# Allegro board PandaX_III_V3.brd (continued)
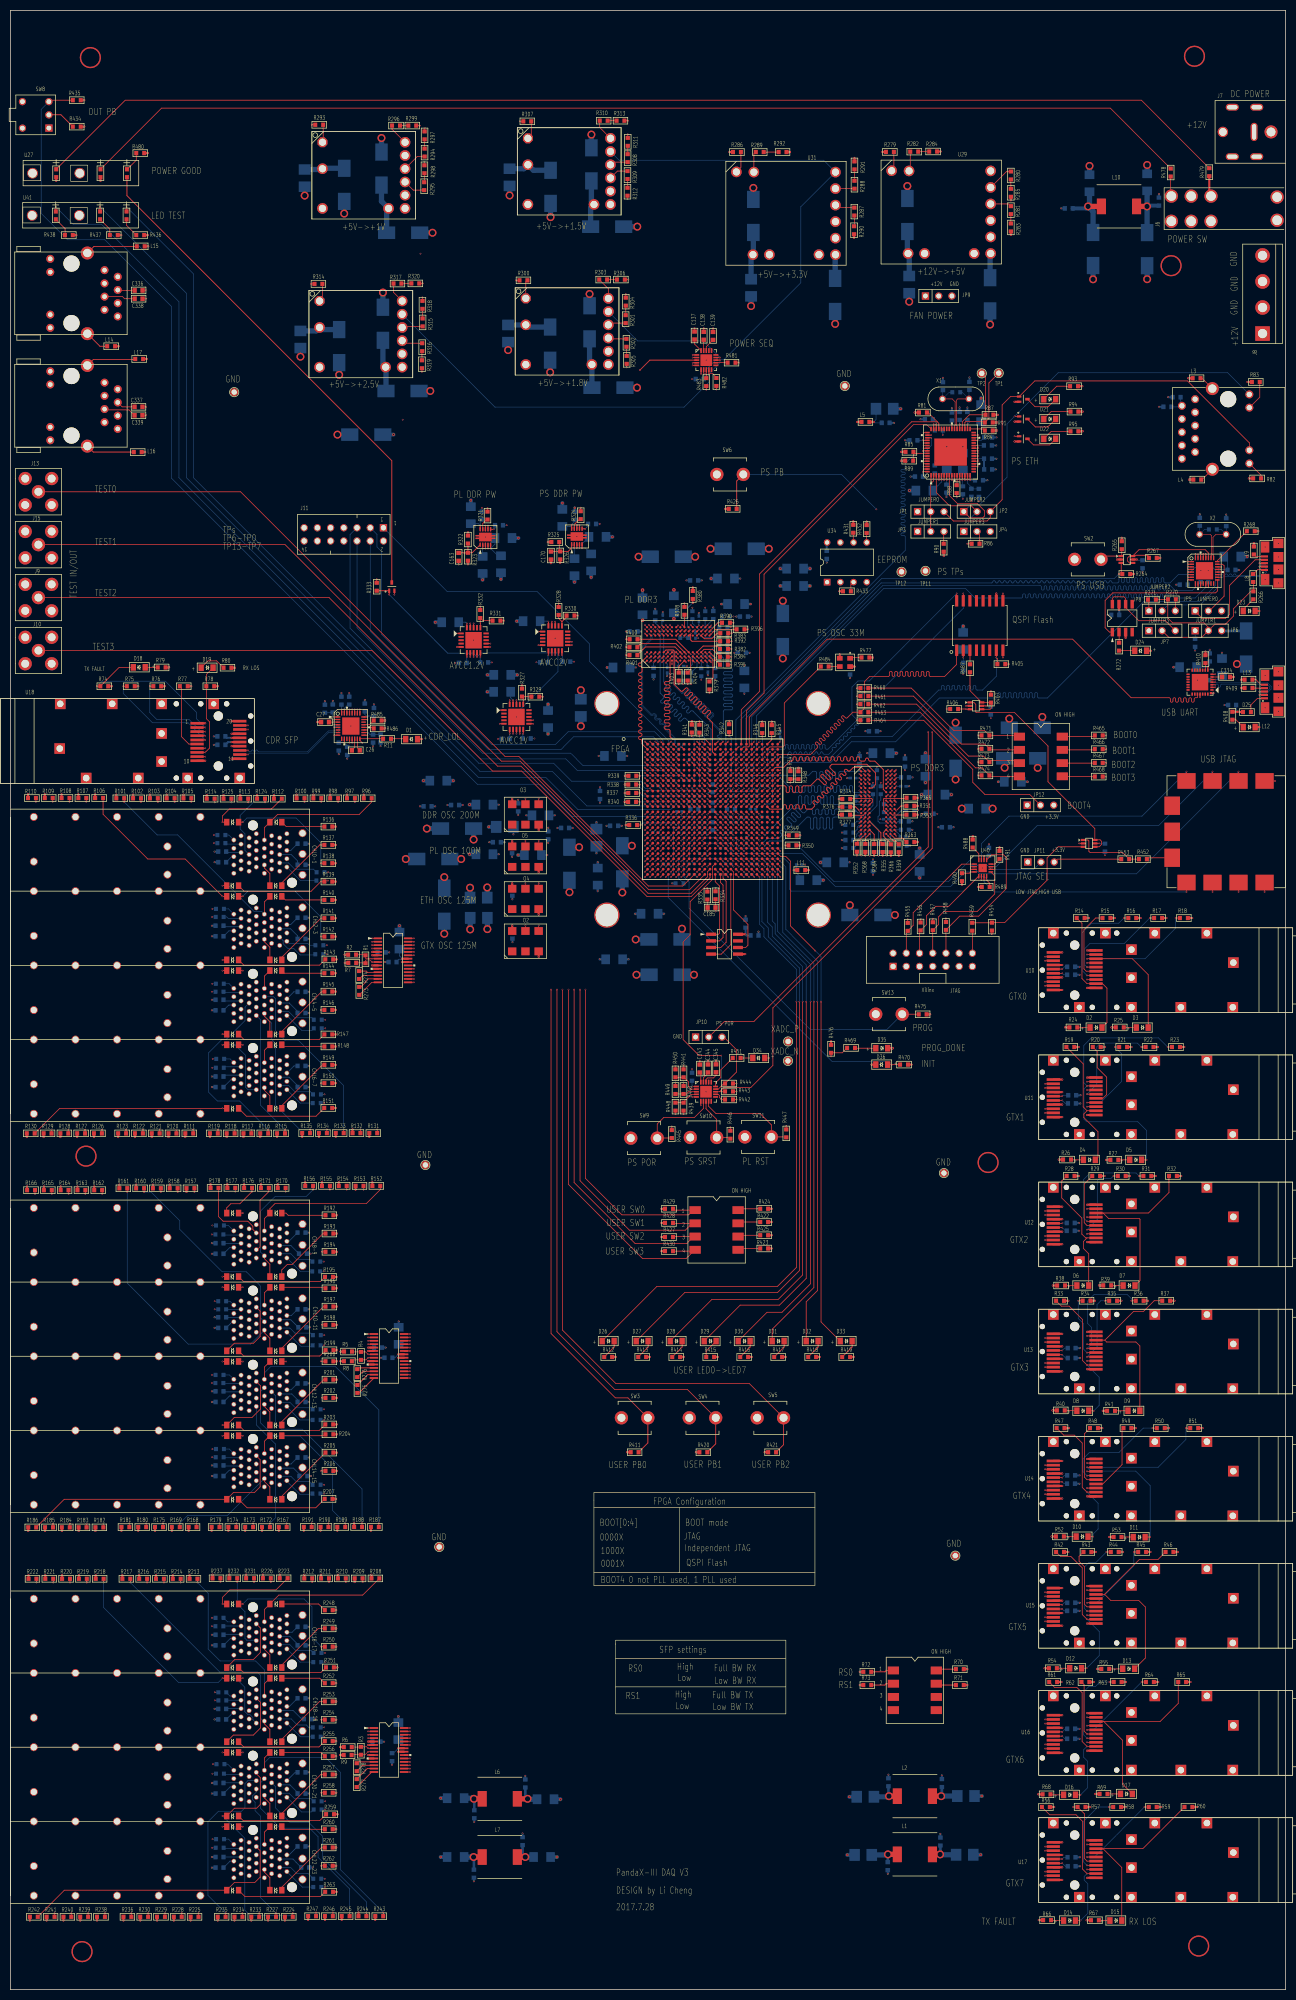
[diagram p0: board, top side]
## Nets (continued)
PL_DDR3_ODT: R403.1 U1.E16(IO_L16P_T2_35) U43.K1(ODT)
PL_DDR3_RAS_B: R401.1 U1.F14(IO_L11N_T1_SRCC_35) U43.J3(RAS_B)
PL_DDR3_RESET_B: R379.2 U1.D15(IO_L13P_T2_MRCC_35) U43.T2(RESET_B)
PL_DDR3_SYS_CK_N: O3.5(OUT-) U1.J3(IO_L12N_T1_MRCC_33)
PL_DDR3_SYS_CK_P: O3.4(OUT+) U1.J4(IO_L12P_T1_MRCC_33)
PL_DDR3_UDM: U1.C4(IO_L19P_T3_34) U43.D3(UDM)
PL_DDR3_UDQS_N: U1.A5(IO_L21N_T3_DQS_34) U43.B7(UDQS_N)
PL_DDR3_UDQS_P: U1.B6(IO_L21P_T3_DQS_34) U43.C7(UDQS_P)
PL_DDR3_WE_B: R400.1 U1.H14(IO_L12N_T1_MRCC_35) U43.L3(WE_B)
PL_DDR3_ZQ: R380.2 U43.L8(ZQ)
PL_DDR_VREF75V: C166.1 C187.2 C188.2 C189.2 C190.2 C319.1 C320.1 U1.C3(IO_L19N_T3_VREF_34) U1.C13(IO_L19N_T3_VREF_35) U1.E13(IO_L6N_T0_VREF_35) U1.H8(IO_L6N_T0_VREF_34) U28.6(REFOUT) U43.H1(VREFDQ) U43.M8(VREFCA)
PL_DDR_VTT75V: C167.1 C168.1 C321.1 C322.1 C323.1 C324.1 C325.1 C326.1 R378.2 R382.2 R383.2 R384.2 R385.2 R386.2 R387.2 R388.2 R389.2 R390.2 R391.2 R392.2 R393.2 R394.2 R395.2 R396.2 R397.2 R398.2 R399.2 R400.2 R401.2 R402.2 R403.2 R404.2 U28.3(VO) U28.5(VOSNS)
PL_JTAG_SEL: JP11.2 U40.2(IN1-2) U40.10(IN3-4)
PL_JTAG_TCK: R490.1 U1.W12(TCK_0) U40.4(COM2)
PL_JTAG_TDI: R491.1 U1.V11(TDI_0) U40.12(COM4)
PL_JTAG_TDO: R489.1 U1.W10(TDO_0) U40.8(COM3)
PL_JTAG_TMS: R488.1 U1.W11(TMS_0) U40.16(COM1)
PL_RST_B: R442.1 U1.AD14(IO_L13N_T2_MRCC_12) U38.12(OUT3)
PL_RST_B_IN: R447.1 SW11.2 U38.9(EN3)
POWER_EN0: R483.1 U24.9(TRACK) U30.8(EN2) U30.14(OUT1)
POWER_EN1: R482.1 U25.9(TRACK) U26.9(TRACK) U30.9(EN3) U30.13(OUT2) U31.10(TRACK)
POWER_LED0: R479.2 U27.3(IN1)
POWER_LED1: R478.2 U27.5(IN2)
POWER_LED2: Q4.3(D) U27.8(OUT3)
PS_CLK: R484.1 U1.B24(PS_CLK_500)
PS_GPIO_1V8_0: TP11.1(TP) U1.B22(PS_MIO50_501)
PS_GPIO_1V8_1: TP12.1(TP) U1.B21(PS_MIO48_501)
PS_I2C_SCL: R431.1 U1.D23(PS_MIO14_500) U34.6(SCL)
PS_I2C_SDA: R432.1 U1.C24(PS_MIO15_500) U34.5(SDA)
PS_PB: R426.2 SW6.2 U1.E26(PS_MIO0_500)
PS_POR_B: JP10.2 U1.C23(PS_POR_B_500)
PS_POR_B_IN: R445.1 SW9.2 U38.7(EN1)
PS_SRST_B: R443.1 U1.A22(PS_SRST_B_501) U36.1(A1) U38.13(OUT2) U42.4(Y2) U42.6(Y1)
PS_SRST_B_IN: R446.1 SW10.2 U38.8(EN2)
RX_CDR_CLKN: U1.N2(IO_L15N_T2_DQS_33) U4.25(CLKOUTN)
RX_CDR_CLKP: U1.N3(IO_L15P_T2_DQS_33) U4.26(CLKOUTP)
RX_CDR_RXN: U1.M1(IO_L18N_T2_33) U4.28(DATAOUTN)
RX_CDR_RXP: U1.N1(IO_L18P_T2_33) U4.29(DATAOUTP)
SFP_MOD_ABS0: R17.1 U10.6(MOD_ABS)
SFP_MOD_ABS1: R22.1 U11.6(MOD_ABS)
SFP_MOD_ABS2: R31.1 U12.6(MOD_ABS)
SFP_MOD_ABS3: R36.1 U13.6(MOD_ABS)
SFP_MOD_ABS4: R50.1 U14.6(MOD_ABS)
SFP_MOD_ABS5: R45.1 U15.6(MOD_ABS)
SFP_MOD_ABS6: R64.1 U16.6(MOD_ABS)
SFP_MOD_ABS7: R59.1 U17.6(MOD_ABS)
SFP_MOD_ABS8: R77.1 U18.6(MOD_ABS)
SFP_RS0: R72.2 SW1.1 U10.7(RS0) U11.7(RS0) U12.7(RS0) U13.7(RS0) U14.7(RS0) U15.7(RS0) U16.7(RS0) U17.7(RS0) U18.7(RS0)
SFP_RS1: R73.2 SW1.2 U10.9(RS1) U11.9(RS1) U12.9(RS1) U13.9(RS1) U14.9(RS1) U15.9(RS1) U16.9(RS1) U17.9(RS1) U18.9(RS1)
SFP_RX_LOS0: D3.2(CATHODE) R18.1 U10.8(LOS)
SFP_RX_LOS1: D5.2(CATHODE) R23.1 U11.8(LOS)
SFP_RX_LOS2: D7.2(CATHODE) R32.1 U12.8(LOS)
SFP_RX_LOS3: D9.2(CATHODE) R37.1 U13.8(LOS)
SFP_RX_LOS4: D11.2(CATHODE) R51.1 U14.8(LOS)
SFP_RX_LOS5: D13.2(CATHODE) R46.1 U15.8(LOS)
SFP_RX_LOS6: D17.2(CATHODE) R65.1 U16.8(LOS)
SFP_RX_LOS7: D15.2(CATHODE) R60.1 U17.8(LOS)
SFP_RX_LOS8: D19.2(CATHODE) R78.1 U1.Y13(IO_L5N_T0_12) U18.8(LOS)
SFP_RX_N0: U1.AD7(MGTXRXN0_111) U10.12(RD_N)
SFP_RX_N1: U1.AE5(MGTXRXN1_111) U11.12(RD_N)
SFP_RX_N2: U1.AC5(MGTXRXN2_111) U12.12(RD_N)
SFP_RX_N3: U1.AD3(MGTXRXN3_111) U13.12(RD_N)
SFP_RX_N4: U1.AB3(MGTXRXN0_112) U14.12(RD_N)
SFP_RX_N5: U1.Y3(MGTXRXN1_112) U15.12(RD_N)
SFP_RX_N6: U1.T3(MGTXRXN3_112) U16.12(RD_N)
SFP_RX_N7: U1.V3(MGTXRXN2_112) U17.12(RD_N)
SFP_RX_N8: U4.4(NIN) U18.12(RD_N)
SFP_RX_P0: U1.AD8(MGTXRXP0_111) U10.13(RD_P)
SFP_RX_P1: U1.AE6(MGTXRXP1_111) U11.13(RD_P)
SFP_RX_P2: U1.AC6(MGTXRXP2_111) U12.13(RD_P)
SFP_RX_P3: U1.AD4(MGTXRXP3_111) U13.13(RD_P)
SFP_RX_P4: U1.AB4(MGTXRXP0_112) U14.13(RD_P)
SFP_RX_P5: U1.Y4(MGTXRXP1_112) U15.13(RD_P)
SFP_RX_P6: U1.T4(MGTXRXP3_112) U16.13(RD_P)
SFP_RX_P7: U1.V4(MGTXRXP2_112) U17.13(RD_P)
SFP_RX_P8: U4.5(PIN) U18.13(RD_P)
SFP_SCL0: R57.1 R62.1 U1.AC14(IO_L13P_T2_MRCC_12) U16.5(SCL) U17.5(SCL)
SFP_SDA0: R58.1 R63.1 U1.AD15(IO_L15N_T2_DQS_12) U16.4(SDA) U17.4(SDA)
SFP_TX_DISABLE0: U1.AC17(IO_L21P_T3_DQS_12) U10.3(TX_DISABLE)
SFP_TX_DISABLE1: U1.AD16(IO_L15P_T2_DQS_12) U11.3(TX_DISABLE)
SFP_TX_DISABLE2: U1.AC16(IO_L21N_T3_DQS_12) U12.3(TX_DISABLE)
SFP_TX_DISABLE3: U1.AE16(IO_L17P_T2_12) U13.3(TX_DISABLE)
SFP_TX_DISABLE4: U1.AB17(IO_L20P_T3_12) U14.3(TX_DISABLE)
SFP_TX_DISABLE5: U1.AA17(IO_L19N_T3_VREF_12) U15.3(TX_DISABLE)
SFP_TX_DISABLE6: U1.Y17(IO_L19P_T3_12) U16.3(TX_DISABLE)
SFP_TX_DISABLE7: U1.W17(IO_25_12) U17.3(TX_DISABLE)
SFP_TX_DISABLE8: U1.Y10(IO_L3P_T0_DQS_12) U18.3(TX_DISABLE)
SFP_TX_FAULT0: D2.2(CATHODE) R14.1 U10.2(TX_FAULT)
SFP_TX_FAULT1: D4.2(CATHODE) R19.1 U11.2(TX_FAULT)
SFP_TX_FAULT2: D6.2(CATHODE) R28.1 U12.2(TX_FAULT)
SFP_TX_FAULT3: D8.2(CATHODE) R33.1 U13.2(TX_FAULT)
SFP_TX_FAULT4: D10.2(CATHODE) R47.1 U14.2(TX_FAULT)
SFP_TX_FAULT5: D12.2(CATHODE) R42.1 U15.2(TX_FAULT)
SFP_TX_FAULT6: D16.2(CATHODE) R61.1 U16.2(TX_FAULT)
SFP_TX_FAULT7: D14.2(CATHODE) R56.1 U17.2(TX_FAULT)
SFP_TX_FAULT8: D18.2(CATHODE) R74.1 U18.2(TX_FAULT)
SFP_TX_N0: U1.AF7(MGTXTXN0_111) U10.19(TD_N)
SFP_TX_N1: U1.AF3(MGTXTXN1_111) U11.19(TD_N)
SFP_TX_N2: U1.AE1(MGTXTXN2_111) U12.19(TD_N)
SFP_TX_N3: U1.AC1(MGTXTXN3_111) U13.19(TD_N)
SFP_TX_N4: U1.AA1(MGTXTXN0_112) U14.19(TD_N)
SFP_TX_N5: U1.W1(MGTXTXN1_112) U15.19(TD_N)
SFP_TX_N6: U1.R1(MGTXTXN3_112) U16.19(TD_N)
SFP_TX_N7: U1.U1(MGTXTXN2_112) U17.19(TD_N)
SFP_TX_N8: U1.H1(IO_L7N_T1_33) U18.19(TD_N)
SFP_TX_P0: U1.AF8(MGTXTXP0_111) U10.18(TD_P)
SFP_TX_P1: U1.AF4(MGTXTXP1_111) U11.18(TD_P)
SFP_TX_P2: U1.AE2(MGTXTXP2_111) U12.18(TD_P)
SFP_TX_P3: U1.AC2(MGTXTXP3_111) U13.18(TD_P)
SFP_TX_P4: U1.AA2(MGTXTXP0_112) U14.18(TD_P)
SFP_TX_P5: U1.W2(MGTXTXP1_112) U15.18(TD_P)
SFP_TX_P6: U1.R2(MGTXTXP3_112) U16.18(TD_P)
SFP_TX_P7: U1.U2(MGTXTXP2_112) U17.18(TD_P)
SFP_TX_P8: U1.J1(IO_L7P_T1_33) U18.18(TD_P)
SFP_VCCR: C40.1 C41.1 C484.1 C486.1 C488.1 C490.1 C492.1 C494.1 C496.1 C498.1 L2.2 U10.15(VCCR) U11.15(VCCR) U12.15(VCCR) U13.15(VCCR) U14.15(VCCR) U15.15(VCCR) U16.15(VCCR) U17.15(VCCR)
SFP_VCCT: C36.1 C37.1 C483.1 C485.1 C487.1 C489.1 C491.1 C493.1 C495.1 C497.1 L1.2 U10.16(VCCT) U11.16(VCCT) U12.16(VCCT) U13.16(VCCT) U14.16(VCCT) U15.16(VCCT) U16.16(VCCT) U17.16(VCCT)
SITCP_EEPROM_CS: DU3.1(CS) U1.AF14(IO_L16N_T2_12)
SITCP_EEPROM_DI: DU3.3(DI) U1.AE15(IO_L17N_T2_12)
SITCP_EEPROM_DO: DU3.4(DO) U1.AF17(IO_L18N_T2_12)
SITCP_EEPROM_ORG: DU3.6(ORG) U1.AE17(IO_L18P_T2_12)
SITCP_EEPROM_SK: DU3.2(SK) U1.AF15(IO_L16P_T2_12)
SWITCH_OUT+12V: C131.1 C132.1 C133.1 J6.2(OUTL) J6.5(OUTR) L10.1
TRIGGER_IN_0: J9.1 U1.AE13(IO_L10P_T1_12)
TRIGGER_IN_1: J10.1 U1.AF13(IO_L10N_T1_12)
TRIGGER_OUT_0: J13.1 U1.AF10(IO_L9N_T1_DQS_12)
TRIGGER_OUT_1: J15.1 U1.AF12(IO_L8N_T1_12)
UART_USB_D_N: J14.2(D-) U35.4(D-)
UART_USB_D_P: J14.3(D+) U35.3(D+)
UART_USB_RXD: U1.B19(PS_MIO47_501) U35.24(RXD)
UART_USB_TXD: U1.E17(PS_MIO46_501) U35.25(TXD)
UART_USB_VBUS_5V: C330.1 C331.1 C332.1 L12.2 R408.1 U35.7(REGIN) U35.8(VBUS)
ULPI_USB_CLKOUT: U1.K16(PS_MIO36_501) U8.1(CLKOUT)
ULPI_USB_D_N: J2.2(D-) U8.19(DM)
ULPI_USB_D_P: J2.3(D+) U8.18(DP)
ULPI_USB_DATA0: U1.K17(PS_MIO32_501) U8.3(DATA0)
ULPI_USB_DATA1: U1.E22(PS_MIO33_501) U8.4(DATA1)
ULPI_USB_DATA2: U1.J16(PS_MIO34_501) U8.5(DATA2)
ULPI_USB_DATA3: U1.D19(PS_MIO35_501) U8.6(DATA3)
ULPI_USB_DATA4: U1.J18(PS_MIO28_501) U8.7(DATA4)
ULPI_USB_DATA5: U1.D20(PS_MIO37_501) U8.9(DATA5)
ULPI_USB_DATA6: U1.D21(PS_MIO38_501) U8.10(DATA6)
ULPI_USB_DATA7: U1.C21(PS_MIO39_501) U8.13(DATA7)
ULPI_USB_DIR: U1.E20(PS_MIO29_501) U8.31(DIR)
ULPI_USB_NEXT: U1.E21(PS_MIO31_501) U8.2(NXT)
ULPI_USB_RESET_B: R267.1 U7.4(Y2) U7.6(Y1) U8.27(RESETB)
ULPI_USB_RSTB: R264.1 U1.D18(PS_MIO43_501) U7.3(A2)
ULPI_USB_STP: U1.K19(PS_MIO30_501) U8.29(STP)
USB3320_XTAL_N: C130.1 R269.1 U8.26(REFCLK) X2.2
USB3320_XTAL_P: C129.1 R269.2 U8.25(XO) X2.1
USB_ID: JP5.2 U8.23(ID)
USB_JTAG_RSTB: R452.1 R453.1 U42.1(A1)
USB_JTAG_TCK: U39.2(TCK) U40.3(NO2)
USB_JTAG_TDI: U39.3(TDI) U40.11(NO4)
USB_JTAG_TDO: U39.5(TDO) U40.7(NO3)
USB_JTAG_TMS: U39.4(TMS) U40.15(NO1)
USB_VBUS_SEL: JP6.2 JP7.2 L8.2 R266.1 R270.1 R271.1
USER_LED0: D26.1(ANODE) U1.AF22(IO_L7N_T1_13)
USER_LED1: D27.1(ANODE) U1.AE22(IO_L7P_T1_13)
USER_LED2: D28.1(ANODE) U1.AC23(IO_L12P_T1_MRCC_13)
USER_LED3: D29.1(ANODE) U1.AC24(IO_L12N_T1_MRCC_13)
USER_LED4: D30.1(ANODE) U1.AD25(IO_L4P_T0_13)
USER_LED5: D31.1(ANODE) U1.AD26(IO_L4N_T0_13)
USER_LED6: D32.1(ANODE) U1.AC26(IO_L2N_T0_13)
USER_LED7: D33.1(ANODE) U1.AB26(IO_L2P_T0_13)
USER_PB0: R411.2 SW3.2 U1.AA13(IO_L6P_T0_12)
USER_PB1: R420.2 SW4.2 U1.AB12(IO_L2P_T0_12)
USER_PB2: R421.2 SW5.2 U1.AC11(IO_L2N_T0_12)
USER_SW0: R429.2 SW7.1 U1.AD13(IO_L12N_T1_MRCC_12)
USER_SW1: R428.2 SW7.2 U1.AE12(IO_L8P_T1_12)
USER_SW2: R427.2 SW7.3 U1.AE11(IO_L9P_T1_DQS_12)
USER_SW3: R430.2 SW7.4 U1.AC12(IO_L11P_T1_SRCC_12)
USER_TP0: J11.1 U1.E6(IO_L10P_T1_34)
USER_TP1: J11.3 U1.D5(IO_L10N_T1_34)
USER_TP2: J11.5 U1.G5(IO_L2N_T0_34)
USER_TP3: J11.7 U1.C6(IO_L14N_T2_SRCC_34)
USER_TP4: J11.9 U1.E7(IO_L11N_T1_SRCC_34)
USER_TP5: J11.11 U1.G6(IO_L2P_T0_34)
USER_TP6: J11.13 U1.H6(IO_L4N_T0_34)
USER_TP7: J11.2 U1.F4(IO_L1N_T0_33)
USER_TP8: J11.4 U1.E5(IO_L7N_T1_34)
USER_TP9: J11.6 U1.F7(IO_L12N_T1_MRCC_34)
USER_TP10: J11.8 U1.C7(IO_L13N_T2_MRCC_34)
USER_TP11: J11.10 U1.D6(IO_L14P_T2_SRCC_34)
USER_TP12: J11.12 U1.F5(IO_L7P_T1_34)
USER_TP13: J11.14 U1.G7(IO_L12P_T1_MRCC_34)
XADC_N: C185.2 R335.2 TP10.1(TP)
XADC_P: C185.1 R334.2 TP9.1(TP)
N15277247: D25.1(ANODE) R408.2
N15277527: J14.4(GND) R409.2
N15277603: C334.1 U35.6(VDD)
N15277643: R410.1 U35.9(R\S\T\)
N15277901: J14.5(SHIELD0) L13.1
N15278231: R407.1 R487.1 U36.4(Y2) U36.6(Y1)
N15288988: R307.2 U25.1(SMARTSYNC)
N15289050: R310.2 U25.10(INHIBIT & UVLO)
N15289184: R309.2 U25.7(VO ADJUST)
N15289188: R310.1 R313.2
N15289192: R309.1 R312.2
N15289336: R308.1 R311.2
N15289340: R308.2 U25.8(TURBOTRANS)
N15289432: R321.1 U28.9(PGOOD)
N15289798: C163.1 R322.1 R323.2 U28.1(REFIN)
N15290016: R293.2 U23.1(SMARTSYNC)
N15290076: R296.2 U23.10(INHIBIT & UVLO)
N15290212: R295.2 U23.7(VO ADJUST)
N15290216: R296.1 R299.2
N15290220: R295.1 R298.2
N15290368: R324.1 U32.9(PGOOD)
N15290680: C170.1 R325.1 R326.2 U32.1(REFIN)
N15290796: R294.1 R297.2
N15290800: R294.2 U23.8(TURBOTRANS)
N15290950: R300.2 U24.1(SMARTSYNC)
N15291012: R303.2 U24.10(INHIBIT & UVLO)
N15291188: R302.2 U24.7(VO ADJUST)
N15291192: R303.1 R306.2
N15291196: R302.1 R305.2
N15291324: R301.1 R304.2
N15291328: R301.2 U24.8(TURBOTRANS)
N15294561: R331.2 R332.1 U22.16(FB)
N15295063: R328.2 R330.1 U21.16(FB)
N15295507: R327.2 R329.1 U20.16(FB)
N15326704: J6.3(IN2L) J6.6(IN2R) J8.1 R478.1
N15330868: D2.1(ANODE) R24.1
N15331044: D3.1(ANODE) R25.1
N15331388: R48.1 U14.5(SCL)
N15331392: R49.1 U14.4(SDA)
N15331892: R481.1 U30.12(OUT3)
N15331992: C137.1 U30.20(CDLY1)
N15332000: C138.1 U30.19(CDLY2)
N15332008: C139.1 U30.18(CDLY3)
N15332434: D16.1(ANODE) R68.1
N15332542: D17.1(ANODE) R69.1
N15332870: D8.1(ANODE) R40.1
N15333072: D9.1(ANODE) R41.1
N15333252: R29.1 U12.5(SCL)
N15333574: D10.1(ANODE) R52.1
N15333794: D11.1(ANODE) R53.1
N15333837: R282.1 R284.2
N15333841: R282.2 U29.11(INHIBIT & UVLO)
N15333926: R20.1 U11.5(SCL)
N15333936: R30.1 U12.4(SDA)
N15333940: R21.1 U11.4(SDA)
N15334013: R279.2 U29.1(SMARTSYNC)
N15334061: R281.2 U29.8(VO ADJUST)
N15334065: R281.1 R283.2
N15334125: R280.2 U29.9(TURBOTRANS)
N15334153: R280.1 R285.2
N15334432: R15.1 U10.5(SCL)
N15334486: R16.1 U10.4(SDA)
N15334680: D4.1(ANODE) R26.1
N15335110: D5.1(ANODE) R27.1
N15335863: R286.2 U31.1(SMARTSYNC)
N15335912: D14.1(ANODE) R66.1
N15335929: R289.2 U31.11(INHIBIT & UVLO)
N15335977: R288.2 U31.9(TURBOTRANS)
N15335981: R289.1 R292.2
N15335985: R288.1 R291.2
N15336033: R287.1 R290.2
N15336037: R287.2 U31.8(VO ADJUST)
N15336038: D15.1(ANODE) R67.1
N15336442: R34.1 U13.5(SCL)
N15336656: D6.1(ANODE) R38.1
N15336684: R43.1 U15.5(SCL)
N15336860: D7.1(ANODE) R39.1
N15336904: R44.1 U15.4(SDA)
N15337012: R35.1 U13.4(SDA)
N15337194: D12.1(ANODE) R54.1
N15337320: D13.1(ANODE) R55.1
N15352327: D26.2(CATHODE) R412.1
N15352363: D27.2(CATHODE) R413.1
N15352407: D28.2(CATHODE) R414.1
N15352475: D29.2(CATHODE) R415.1
N15352519: D30.2(CATHODE) R416.1
N15354007: R433.1 U34.3(A2)
N15354087: R423.1 SW7.5
N15354395: R424.1 SW7.8
N15354449: R422.1 SW7.7
N15354453: R425.1 SW7.6
N15354888: R480.1 U27.7(IN3)
N15356279: R314.2 U26.1(SMARTSYNC)
N15356341: R317.2 U26.10(INHIBIT & UVLO)
N15356469: R316.2 U26.7(VO ADJUST)
N15356473: R317.1 R320.2
N15356477: R316.1 R319.2
N15356585: R315.1 R318.2
N15356589: R315.2 U26.8(TURBOTRANS)
N15358771: R451.2 U38.15(RESETB)
N15358823: D34.2(CATHODE) R451.1
N15359423: R70.1 SW1.8
N15359430: R71.1 SW1.7
N15360001: O1.3(OUT) R484.2
N15360071: O1.1(ST#) R477.1
N15361005: JP10.3 R444.1 U38.14(OUT1)
N15361284: R344.1 U1.AB8(MGTRREF_112)
N15362351: R439.1 R448.2 U38.4(IN3)
N15362355: R440.1 R449.2 U38.3(IN2)
N15362359: R441.1 R450.2 U38.2(IN1)
N15362510: R342.1 U1.H16(IO_0_VRN_35)
N15362645: C345.1 U38.18(CDLY3)
N15362653: C344.1 U38.19(CDLY2)
N15362673: C343.1 U38.20(CDLY1)
N15362832: R343.2 U1.K12(IO_25_VRP_35)
N15362886: R336.2 U1.T7(CFGBVS_0)
N15362952: R334.1 U1.N14(VP_0)
N15362970: R335.1 U1.P13(VN_0)
N15363194: R339.2 U1.H9(IO_L3P_T0_DQS_PUDC_B_34)
N15365060: R338.1 U1.K11(IO_0_VRN_34)
N15365160: R341.2 U1.K10(IO_25_VRP_34)
N15366806: R340.2 U1.N8(IO_25_VRP_33)
N15366872: R337.2 U1.L9(IO_0_VRN_33)
N15370771: C268.1 R347.1 R348.2 U1.H18(PS_MIO_VREF_501)
N15371363: R345.1 U1.A24(PS_MIO8_500)
N15371367: R346.2 U1.E23(PS_MIO7_500)
N15371637: R349.1 U1.V21(PS_DDR_VRN_502)
N15371671: R350.2 U1.W21(PS_DDR_VRP_502)
N15988634: J3.4L6(MODABS) R129.2
N15988662: J3.4L5(SDA) R127.2
N15988690: J3.4L4(SCL) R128.2
N15988870: J3.4T6(MODABS) R123.2
N15988970: J3.4T5(SDA) R121.2
N15988978: J3.4T4(SCL) R122.2
N15989690: J3.2T6(MODABS) R104.2
N15989746: J3.2T5(SDA) R102.2
N15989762: J3.2T4(SCL) R103.2
N15990070: J3.1T5(SDA) R97.2
N15990086: J3.1T4(SCL) R98.2
N15990740: J3.2L6(MODABS) R109.2
N15990788: J3.2L5(SDA) R107.2
N15990796: J3.2L4(SCL) R108.2
N15991702: J3.1L6(MODABS) R125.2
N15991750: J3.1L5(SDA) R124.2
N15991758: J3.1L4(SCL) R113.2
N15991942: J3.3T6(MODABS) R134.2
N15991990: J3.3T5(SDA) R132.2
N15991998: J3.3T4(SCL) R133.2
N15992586: J3.1T21(LEDP#1T21) R136.1
N15992594: J3.1T23(LEDP#1T23) R137.1
N15992642: J3.1L21(LEDP#1L21) R138.1
N15992646: J3.1L23(LEDP#1L23) R139.1
N15992750: J3.2T21(LEDP#2T21) R140.1
N15992758: J3.2T23(LEDP#2T23) R141.1
N15992766: J3.2L21(LEDP#2L21) R142.1
N15992774: J3.2L23(LEDP#2L23) R143.1
N15992890: J3.1T6(MODABS) R99.2
N15992930: J3.3L6(MODABS) R118.2
N15993030: J3.3L5(SDA) R116.2
N15993058: J3.3L4(SCL) R117.2
N15993246: J3.3T21(LEDP#3T21) R144.1
N15993254: J3.3T23(LEDP#3T23) R145.1
N15993262: J3.3L21(LEDP#3L21) R146.1
N15993270: J3.3L23(LEDP#3L23) R147.1
N15993282: J3.4T21(LEDP#4T21) R148.1
N15993290: J3.4T23(LEDP#4T23) R149.1
N15993312: J3.4L21(LEDP#4L21) R150.1
N15993320: J3.4L23(LEDP#4L23) R151.1
N16030402: J4.4L6(MODABS) R185.2
N16030430: J4.4L5(SDA) R183.2
N16030458: J4.4L4(SCL) R184.2
N16030638: J4.4T6(MODABS) R181.2
N16030686: J4.4T5(SDA) R175.2
N16030694: J4.4T4(SCL) R168.2
N16031198: J4.2T6(MODABS) R160.2
N16031306: J4.2T5(SDA) R158.2
N16031322: J4.2T4(SCL) R159.2
N16031630: J4.1T5(SDA) R153.2
N16031646: J4.1T4(SCL) R154.2
N16032226: J4.2L6(MODABS) R165.2
N16032274: J4.2L5(SDA) R163.2
N16032282: J4.2L4(SCL) R164.2
N16032914: J4.1L6(MODABS) R177.2
N16033014: J4.1L5(SDA) R170.2
N16033022: J4.1L4(SCL) R171.2
N16033206: J4.3T6(MODABS) R190.2
N16033254: J4.3T5(SDA) R188.2
N16033262: J4.3T4(SCL) R189.2
N16033806: J4.1T21(LEDP#1T21) R192.1
N16033834: J4.1T23(LEDP#1T23) R193.1
N16033882: J4.1L21(LEDP#1L21) R194.1
N16033886: J4.1L23(LEDP#1L23) R195.1
N16033990: J4.2T21(LEDP#2T21) R196.1
N16033998: J4.2T23(LEDP#2T23) R197.1
N16034006: J4.2L21(LEDP#2L21) R198.1
N16034014: J4.2L23(LEDP#2L23) R199.1
N16034110: J4.1T6(MODABS) R155.2
N16034170: J4.3L6(MODABS) R174.2
N16034270: J4.3L5(SDA) R173.2
N16034350: J4.3L4(SCL) R167.2
N16034518: J4.3T21(LEDP#3T21) R200.1
N16034546: J4.3T23(LEDP#3T23) R201.1
N16034554: J4.3L21(LEDP#3L21) R202.1
N16034562: J4.3L23(LEDP#3L23) R203.1
N16034574: J4.4T21(LEDP#4T21) R204.1
N16034582: J4.4T23(LEDP#4T23) R205.1
N16034604: J4.4L21(LEDP#4L21) R206.1
N16034612: J4.4L23(LEDP#4L23) R207.1
N16042263: J5.4L6(MODABS) R241.2
N16042291: J5.4L5(SDA) R239.2
N16042319: J5.4L4(SCL) R240.2
N16042499: J5.4T6(MODABS) R225.2
N16042547: J5.4T5(SDA) R236.2
N16042555: J5.4T4(SCL) R229.2
N16043059: J5.2T6(MODABS) R216.2
N16043167: J5.2T5(SDA) R214.2
N16043183: J5.2T4(SCL) R215.2
N16043491: J5.1T5(SDA) R209.2
N16043507: J5.1T4(SCL) R210.2
N16044087: J5.2L6(MODABS) R221.2
N16044135: J5.2L5(SDA) R219.2
N16044143: J5.2L4(SCL) R220.2
N16044775: J5.1L6(MODABS) R237.2
N16044875: J5.1L5(SDA) R231.2
N16044883: J5.1L4(SCL) R232.2
N16045067: J5.3T6(MODABS) R246.2
N16045115: J5.3T5(SDA) R244.2
N16045123: J5.3T4(SCL) R245.2
N16045667: J5.1T21(LEDP#1T21) R248.1
N16045695: J5.1T23(LEDP#1T23) R249.1
N16045743: J5.1L21(LEDP#1L21) R250.1
N16045747: J5.1L23(LEDP#1L23) R251.1
N16045851: J5.2T21(LEDP#2T21) R252.1
N16045859: J5.2T23(LEDP#2T23) R253.1
N16045867: J5.2L21(LEDP#2L21) R254.1
N16045875: J5.2L23(LEDP#2L23) R255.1
N16045971: J5.1T6(MODABS) R211.2
N16046031: J5.3L6(MODABS) R235.2
N16046131: J5.3L5(SDA) R234.2
N16046211: J5.3L4(SCL) R227.2
N16046379: J5.3T21(LEDP#3T21) R256.1
N16046407: J5.3T23(LEDP#3T23) R257.1
N16046415: J5.3L21(LEDP#3L21) R258.1
N16046423: J5.3L23(LEDP#3L23) R259.1
N16046435: J5.4T21(LEDP#4T21) R260.1
N16046443: J5.4T23(LEDP#4T23) R261.1
N16046465: J5.4L21(LEDP#4L21) R262.1
N16046473: J5.4L23(LEDP#4L23) R263.1
N16134080: R265.1 SW2.2 U7.1(A1)
N16134320: J2.5(SHIELD0) L9.1
N16134430: D23.1(ANODE) R266.2
N16134484: J2.4(GND) JP5.1
N16134532: J2.1(VBUS) L8.1
N16135004: R268.2 U8.24(RBIAS)
N16135048: U8.17(CPEN33) U9.1(EN)
N16135154: R272.1 U9.2(FLG)
N16135158: D24.2(CATHODE) R272.2
N16135206: JP7.3 U9.6(OUT1) U9.8(OUT2)
N16135720: JP8.1 R271.2
N16135724: JP8.3 R270.2
N16135742: JP8.2 U8.22(VBUS)
N16135804: C121.1 JP6.1
N16135812: C122.1 JP6.3
N16719863: J1.16(SH2) L3.2
N16719907: J1.15(SH1) L4.2
N16720063: R87.2 TP2.1(TP) U6.36(HSDAC_P)
N16720067: R91.2 TP1.1(TP) U6.35(HSDAC_N)
N16720381: J1.11 R82.2
N16720399: J1.13 R83.2
N16720575: R84.2 U6.33(RSET)
N16720879: R85.1 R89.2 U6.57(VREF)
N16721273: JP3.3 R90.2
N16721539: JP4.2 R86.1
N16721683: R88.2 U6.11(TRST_B)
N16778273: D31.2(CATHODE) R417.1
N16778439: D32.2(CATHODE) R418.1
N16778607: D33.2(CATHODE) R419.1
N16782382: DU1.SH2 L14.2
N16782384: DU1.SH1 L15.2
N16782458: C336.2 DU1.4(D3+)
N16782480: C338.2 DU1.5(D3-)
N16783212: C337.2 DU2.4(D3+)
N16783234: C339.2 DU2.5(D3-)
N16788262: R465.1 SW12.8
N16788273: R466.1 SW12.7
N16788278: R467.1 SW12.6
N16788283: R468.1 SW12.5
N16792378: J14.1(VBUS) L12.1
N16794074: DU2.SH2 L16.2
N16794077: DU2.SH1 L17.2
N16804697: R434.1 SW8.2
N16805801: R436.1 U41.8(OUT3)
N16805806: R437.1 U41.6(OUT2)
N16805811: R438.1 U41.4(OUT1)
N16844319: D1.2(CATHODE) R11.1
N16844562: C27.2 U4.3(VREF)
N16844628: C26.1 U4.14(CF2)
N16844634: C26.2 U4.15(CF1)
N16922650: R487.2 U37.3(NC0/RESET)
N16936828: D35.1(ANODE) R469.1
N17167219: R273.2 U2.14(OUT9-)
N17167228: R273.1 U2.13(OUT9+)
N17167231: R274.2 U2.12(OUT10-)
N17167236: R274.1 U2.11(OUT10+)
N17167273: R275.2 U3.14(OUT9-)
N17167289: R275.1 U3.13(OUT9+)
N17167292: R276.2 U3.12(OUT10-)
N17167295: R276.1 U3.11(OUT10+)
N17167332: R277.2 U19.14(OUT9-)
N17167337: R277.1 U19.13(OUT9+)
N17167349: R278.2 U19.11(OUT10+)
N17167352: R278.1 U19.12(OUT10-)
N17192210: R76.1 U18.4(SDA)
N17192241: D18.1(ANODE) R79.1
N17192271: D19.1(ANODE) R80.1
N17192432: R75.1 U18.5(SCL)
N17249657: J3.1T12(RXN) R492.1
N17249666: J3.1T13(RXP) R493.1
N17250205: J3.1L12(RXN) R494.1
N17250214: J3.1L13(RXP) R495.1
N17250581: J3.2T12(RXN) R496.1
N17250594: J3.2T13(RXP) R497.1
N17250855: J3.2L12(RXN) R498.1
N17250864: J3.2L13(RXP) R499.1
N17251133: J3.3T12(RXN) R500.1
N17251142: J3.3T13(RXP) R501.1
N17251513: J3.3L12(RXN) R502.1
N17251522: J3.3L13(RXP) R503.1
N17251836: J3.4T12(RXN) R504.1
N17251845: J3.4T13(RXP) R505.1
N17252106: J3.4L12(RXN) R506.1
N17252115: J3.4L13(RXP) R507.1
N17252376: J4.1T12(RXN) R508.1
N17252385: J4.1T13(RXP) R509.1
N17252646: J4.1L12(RXN) R510.1
N17252655: J4.1L13(RXP) R511.1
N17252916: J4.2T12(RXN) R512.1
N17252925: J4.2T13(RXP) R513.1
N17253570: J4.2L12(RXN) R514.1
N17253579: J4.2L13(RXP) R515.1
N17253808: J4.3L12(RXN) R518.1
N17253817: J4.3L13(RXP) R519.1
N17254046: J4.4T12(RXN) R520.1
N17254055: J4.4T13(RXP) R521.1
N17254284: J4.3T12(RXN) R516.1
N17254293: J4.3T13(RXP) R517.1
N17254522: J4.4L12(RXN) R522.1
N17254531: J4.4L13(RXP) R523.1
N17254760: J5.1T12(RXN) R524.1
N17254769: J5.1T13(RXP) R525.1
N17254998: J5.2T13(RXP) R527.1
N17255007: J5.2T12(RXN) R526.1
N17255236: J5.2L12(RXN) R530.1
N17255245: J5.2L13(RXP) R531.1
N17255474: J5.1L12(RXN) R528.1
N17255483: J5.1L13(RXP) R529.1
N17255712: J5.3L12(RXN) R534.1
N17255721: J5.3L13(RXP) R535.1
N17255950: J5.4T12(RXN) R536.1
N17255959: J5.4T13(RXP) R537.1
N17256188: J5.3T12(RXN) R532.1
N17256197: J5.3T13(RXP) R533.1
N17256426: J5.4L12(RXN) R538.1
N17256435: J5.4L13(RXP) R539.1
N153616730: R452.2 U39.11(GPIO2)
N167219250: D20.1(ANODE) R93.1
N167219251: D20.2(CATHODE) Q1.3(D)
N167220110: D21.1(ANODE) R94.1
N167220111: D21.2(CATHODE) Q2.3(D)
N167220970: D22.1(ANODE) R95.1
N167220971: D22.2(CATHODE) Q3.3(D)
N1536150713: J12.14 R459.2

Pads without a net: DU1 9 10 11 12; DU2 9 10 11 12; DU3 7; J3 1L7 1T7 2L7 2T7 3L7 3T7 4L7 4T7; J4 1L7 1T7 2L7 2T7 3L7 3T7 4L7 4T7; J5 1L7 1T7 2L7 2T7 3L7 3T7 4L7 4T7; J12 12; JP3 1; JP7 1; JP9 1; O2 1 2; O3 1 2; O4 1 2; O5 1 2; SW1 3 4 5 6; U1 A7 A8 A9 A10 A17 A18 A23 A25 AA5 AA6 AA12 AA14 AA15 AA20 AB10 AB11 AB14 AB15 AB16 AB20 AC13 AD10 AD11 AE10 B7 B9 B10 B15 B16 B17 B25 B26 C8 C9 C18 C19 C22 D8 D9 D14 D16 D24 E8 F8 F9 F10 F17 G4 G9 G10 H7 H11 J8 J9 J10 J11 K1 K3 L2 L3 M2 N26 P23 P24 P25 P26 R23 R25 R26 T23 T24 T25 U5 U6 U24 U25 U26 V18 V19 V24 V26 W13 W23 W24 W25 W26 Y25 Y26; U4 6 7 9 11 22; U6 17 18 28 32 41 42 43 44; U8 12 15 16; U9 4 5; U20 2 3 4 13 14 15 17; U21 2 3 4 13 14 15 17; U22 2 3 4 13 14 15 17; U27 1 2; U30 10 11 15 16 17; U33 J1 J9 L1 L9 M7; U35 1 10 11 12 13 14 15 16 17 18 19 20 21 22 23 26 27 28; U37 4 5 6 11 12 13 14; U38 10 11 16 17; U39 9; U41 1 2; U43 J1 J9 L1 L9 M7